# Altium PCB PCB1.PcbDoc (continued)
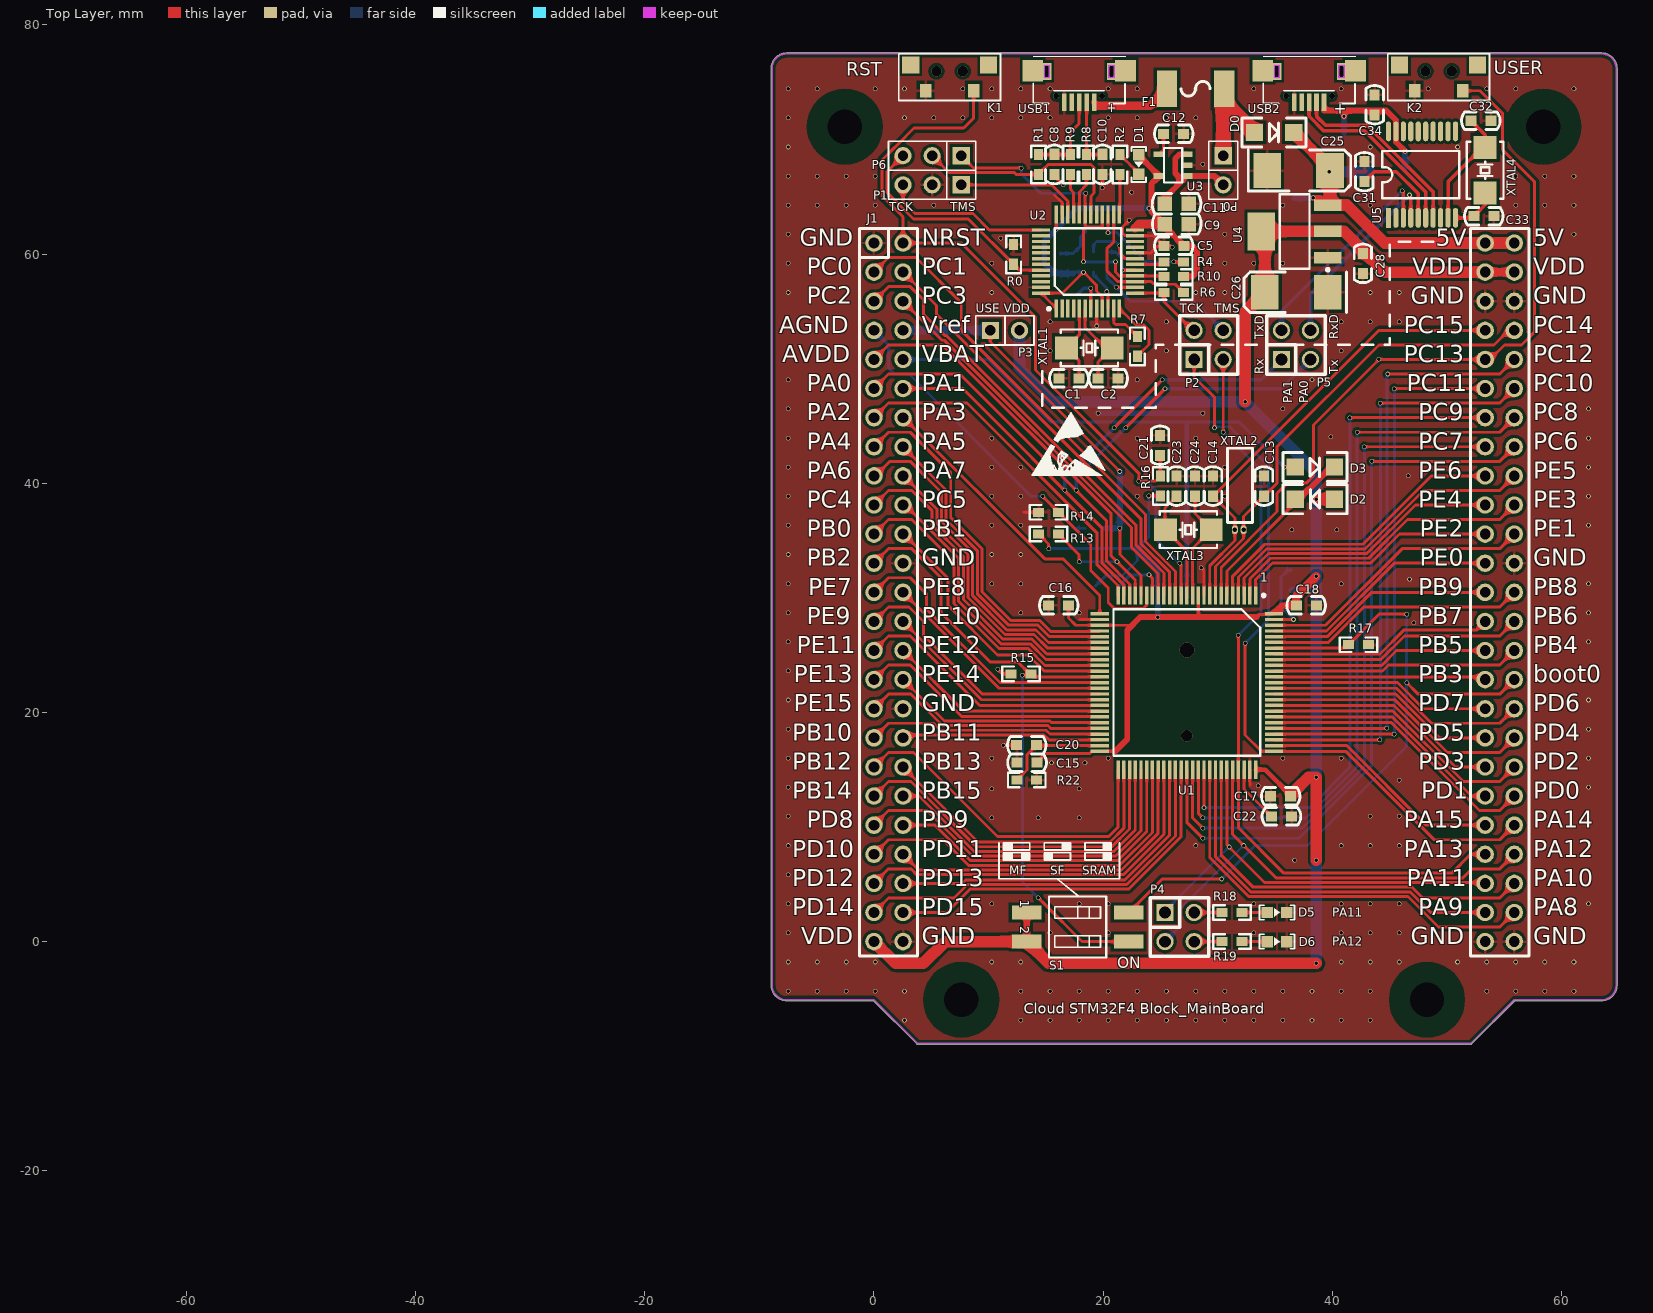
[diagram p0: Top Layer view]
## Nets (pads, with @x,y where several pads share a name; then routed paths per layer and width w, separated by ;. In a path a pad name is that pad's centre, name@x,y a point inside that pad or via, vN(x,y) a via of type N, cw(c..) or ccw(c..) an arc to the next point about the centre after c; other vN are vias at no path point)
BOOT0: J1.82 R17.2 S1.4 U1.94 | length 64.7
  Top Layer w0.254: S1.4 25.151,5.461 v1(30.353,5.461) ; U1.94 R17.2@41.3,25.606 ; R17.2 44.094,28.575 v1(46.482,28.575) ; v1(46.482,22.606) 47.498,21.59 54.61,21.59 J1.82
  Bottom Layer w0.254: v1(30.353,5.461) 33.274,8.382 37.846,8.382 46.482,17.018 v1(46.482,22.606) v1(46.482,28.575)
DBG_LED: R2.2 U2.25 | length 3.5
  Top Layer w0.254: U2.25@21.463,63.482 R2.2
F4_RX: J1.12 P5.1 U1.24 | length 53.4
  Top Layer w0.254: J1.12 7.747,48.26 19.888,36.119 19.888,33.057 21.805,31.14 U1.24
  Top Layer w0.305: v1(20.955,44.831) v1(25.146,49.022)
  Bottom Layer w0.305: v1(16.637,39.37) 16.637,40.513 v1(20.955,44.831) ; v1(25.146,49.022) 33.782,49.022 P5.1
F4_TX: J1.11 P5.3 U1.23 | length 59.3
  Top Layer w0.254: J1.11 1.27,49.53 7.493,49.53 20.295,36.728 20.295,33.225 22.305,31.215 U1.23
  Top Layer w0.305: v1(21.971,44.831) v1(25.4,48.26)
  Bottom Layer w0.305: v1(17.653,39.37) 17.653,40.513 v1(21.971,44.831) ; v1(25.4,48.26) 35.56,48.26 P5.3
JTCK: P1.3 U2.37 | length 14.5
  Top Layer w0.254: P1.3 2.54,64.557 3.572,63.525 8.636,63.525 10.066,62.095 U2.37
JTMS: P1.1 U2.34 | length 11.1
  Top Layer w0.254: P1.1 15.494,66.04 16.926,64.608 U2.34
NetC1_1: C1.1 U2.5 XTAL1.1 | length 7
  Top Layer w0.254: C1.1 17.907,50.705 XTAL1.1 17.926,52.946 U2.5
NetC2_1: C2.1 U2.6 XTAL1.2 | length 7.9
  Top Layer w0.254: U2.6 18.426,53.583 20.193,51.816 XTAL1.2 19.558,50.578 C2.1
NetC11_2: C11.2 P0.2 U3.1 U3.3 | length 10
  Top Layer w0.508: C11.2 25.366,64.863 26.924,66.421 ; U3.3 26.665,68.702 26.289,68.326 26.289,67.056 26.924,66.421 ; P0.2 29.718,66.802 U3.1 26.924,66.421
NetC12_1: C12.1 U3.4 | length 1.9
  Top Layer w0.254: U3.4 25.273,69.07 C12.1
NetC20_2: C20.2 R22.1 U1.49 | length 9.3
  Top Layer w0.254: R22.1 13.36,14.986 13.36,16.307 C20.2 ; C20.2@14.199,17.106 U1.49
NetC22_2: C22.2 U1.73 | length 5.1
  Top Layer w0.254: U1.73 32.305,13.898 32.305,13.313 C22.2
NetC23_1: C23.1 U1.13 XTAL3.2 | length 9.4
  Top Layer w0.254: C23.1@26.067,38.513 25.4,37.846 25.4,35.973 XTAL3.2 27.305,34.068 U1.13
NetC24_1: C24.1 U1.12 XTAL3.1 | length 9.9
  Top Layer w0.254: U1.12 27.805,34.314 XTAL3.1 28.016,37.357 C24.1
NetC31_2: C31.2 U5.5 | length 8
  Top Layer w0.305: C31.2 43.663,67.183 45.593,67.183 47.498,65.278 U5.5
NetC32_2: C32.2 U5.9 XTAL4.2 | length 10.3
  Top Layer w0.305: U5.9 50.098,66.322 53.34,69.564 53.34,70.383 C32.2
NetC33_2: C33.2 U5.10 XTAL4.1 | length 4.1
  Top Layer w0.305: U5.10 52.196,63.156 C33.2 53.34,64.3 XTAL4.1
NetD0_1: D0.1 F1.2 P0.1 | length 8.4
  Top Layer w1.27: P0.1 30.48,73.343 D0.1@33.084,70.739
NetD1_2: D1.2 R2.1 | length 2.4
  Top Layer w0.254: R2.1 23.114,67.031 D1.2
NetD5_1: D5.1 R18.2 | length 2.2
  Top Layer w0.254: R18.2 D5.1
NetD6_1: D6.1 R19.2 | length 2.2
  Top Layer w0.254: R19.2 D6.1
NetP4_2: P4.2 R18.1 | length 2.4
  Top Layer w0.254: P4.2 R18.1
NetP4_4: P4.4 R19.1 | length 2.4
  Top Layer w0.254: P4.4 R19.1
NetR11_1: R11.1 R12.1 U1.19 | length 5
  Top Layer w0.254: v1(24.003,32.004) 24.305,31.702 U1.19
  Bottom Layer w0.254: R11.1@21.361,30.992 22.373,32.004 v1(24.003,32.004)
NetR20_1: R20.1 R21.1 U1.99 | length 7.1
  Top Layer w0.254: U1.99 v1(36.615,28.106)
  Bottom Layer w0.254: R21.1 36.093,32.41 35.509,31.826 35.509,29.212 v1(36.615,28.106)
NetU5_6: U5.6 USB2.3 | length 16.4
  Top Layer w0.305: USB2.3 37.973,72.009 39.243,70.739 42.827,70.739 48.148,65.418 U5.6
NetU5_7: U5.7 USB2.2 | length 16.4
  Top Layer w0.305: USB2.2 38.623,72.006 39.407,71.222 42.991,71.222 48.798,65.414 U5.7
NRST: C21.1 J1.2 K1.2 R16.2 U1.14 | length 67.9
  Top Layer w0.254: K1.2 8.704,71.865 7.832,70.993 3.505,70.993 2.122,69.609 2.114,69.609 1.511,69.006 1.511,68.998 0.711,68.199 0.711,65.075 2.54,63.246 J1.2 7.62,60.96 14.097,54.483 14.097,49.884 23.114,40.867 v1(23.114,40.183) 24.562,40.183 R16.2 24.994,42.393 C21.1 ; v1(26.67,33.02) 26.805,32.885 U1.14
  Bottom Layer w0.254: v1(23.114,40.183) 23.798,40.183 24.613,39.369 24.613,35.077 v1(26.67,33.02)
NRST_DBG: C3.1 U2.7 | length 3.1
  Top Layer w0.254: v1(18.923,57.023) 18.926,57.02 U2.7
  Bottom Layer w0.305: C3.1 18.288,57.023 v1(18.923,57.023)
OB_BT0: P6.3 R0.1 U2.44 | length 20
  Top Layer w0.254: P6.3 1.118,67.158 1.118,65.405 3.454,63.068 8.23,63.068 R0.1 12.703,58.595 U2.44
OB_RX: P6.1 R10.1 U2.16 U2.28 U2.31 | length 29.1
  Top Layer w0.254: P6.1 8.687,67.513 12.83,67.513 v1(12.852,67.492) ; v1(18.288,59.309) 18.288,62.077 18.555,62.344 ; v1(18.491,65.303) 18.426,65.238 U2.31 18.426,62.473 18.555,62.344 ; U2.28 19.926,62.344 18.555,62.344 ; v1(21.082,59.309) 21.082,58.42 21.407,58.095 U2.16 R10.1@25.242,58.095
  Bottom Layer w0.254: v1(12.852,67.492) 12.852,67.005 14.553,65.303 v1(18.491,65.303) ; v1(18.288,59.309) v1(21.082,59.309)
OB_TX: P6.2 R1.2 U2.30 | length 19.5
  Top Layer w0.254: P6.2 6.553,67.107 12.243,67.107 12.395,66.954 R1.2 15.215,67.818 18.95,67.818 19.215,67.553 19.215,65.316 18.926,65.027 U2.30
PA2: J1.13 U1.25 | length 30.9
  Top Layer w0.254: J1.13 1.27,46.99 8.128,46.99 19.482,35.636 19.482,32.889 21.305,31.065 U1.25
PA3: J1.14 U1.26 | length 25.1
  Top Layer w0.254: J1.14@2.591,45.72 14.91,33.401 16.51,33.401 19.705,30.206 U1.26
PA4: J1.15 U1.29 | length 32
  Top Layer w0.254: J1.15 1.27,44.45 3.175,44.45 6.706,40.919 6.706,37.002 9.428,34.279 9.428,30.523 11.935,28.016 14.475,28.016 15.415,27.076 19.705,27.076 U1.29
PA5: J1.16 U1.30 | length 27.7
  Top Layer w0.254: J1.16 6.299,39.421 6.299,36.833 9.022,34.111 9.022,30.355 11.767,27.61 14.307,27.61 15.31,26.606 U1.30
PA6: J1.17 U1.31 | length 30.5
  Top Layer w0.254: J1.17 0.127,40.64 1.397,41.91 3.175,41.91 5.893,39.192 5.893,36.665 8.616,33.942 8.616,30.186 11.598,27.203 14.138,27.203 15.236,26.106 U1.31
PA7: J1.18 U1.32 | length 26.3
  Top Layer w0.254: J1.18 2.607,40.64 5.486,37.76 5.486,36.497 8.209,33.774 8.209,30.018 11.43,26.797 13.97,26.797 15.161,25.606 U1.32
PA8: J1.98 U1.67 | length 37.3
  Top Layer w0.254: U1.67 29.305,7.331 32.699,3.937 46.609,3.937 49.276,1.27 54.61,1.27 J1.98
PA9: J1.97 U1.68 | length 33.2
  Top Layer w0.254: U1.68 29.805,7.406 32.868,4.343 46.777,4.343 48.581,2.54 J1.97
PA10: J1.96 U1.69 | length 35.1
  Top Layer w0.254: U1.69 30.305,7.541 33.096,4.75 46.946,4.75 47.885,3.81 54.61,3.81 J1.96
PA11: J1.95 P4.1 U1.70 | length 38.4
  Top Layer w0.254: U1.70 30.805,8.438 v1(30.988,8.255) 34.087,5.156 53.34,5.156 J1.95
  Bottom Layer w0.254: P4.1@25.4,2.667 v1(30.988,8.255)
PA12: J1.94 P4.3 U1.71 | length 43.9
  Top Layer w0.254: U1.71 31.305,9.335 35.077,5.563 51.41,5.563 52.197,6.35 54.61,6.35 J1.94
  Bottom Layer w0.254: P4.3 26.67,1.27 26.67,2.794 v1(32.258,8.382)
PA13: J1.93 P2.3 U1.72 | length 66.9
  Top Layer w0.254: v1(30.48,44.45) P2.3 ; v1(31.805,26.742) U1.72 31.805,9.931 35.767,5.969 50.419,5.969 52.07,7.62 J1.93
  Bottom Layer w0.254: v1(30.48,44.45) 33.786,41.144 33.786,28.723 v1(31.805,26.742)
PA14: J1.92 P2.1 U1.76 | length 65
  Top Layer w0.254: P2.1 27.94,49.276 29.718,47.498 v1(29.718,44.831) ; v1(32.385,26.035) 32.385,18.034 33.813,16.606 U1.76 41.179,16.606 48.895,8.89 54.61,8.89 J1.92
  Bottom Layer w0.254: v1(29.718,44.831) 29.816,44.929 31.017,44.929 34.417,41.529 34.417,28.067 v1(32.385,26.035)
PA15: J1.91 U1.77 | length 21.3
  Top Layer w0.254: U1.77 41.254,17.106 48.2,10.16 J1.91
PB0: J1.21 U1.35 | length 27.6
  Top Layer w0.254: J1.21 1.27,36.83 3.302,36.83 6.99,33.142 6.99,29.513 10.925,25.578 13.465,25.578 14.937,24.106 U1.35
PB1: J1.22 U1.36 | length 23.5
  Top Layer w0.254: J1.22 2.607,35.56 6.477,31.69 6.477,29.337 10.795,25.019 13.449,25.019 14.862,23.606 U1.36
PB2: J1.23 R15.2 S1.3 U1.37 | length 56.5
  Top Layer w0.254: J1.23 1.27,34.29 3.302,34.29 5.842,31.75 5.842,28.702 10.16,24.384 12.565,24.384 R15.2@13.581,23.368 ; v1(12.954,23.241) 13.564,23.241 R15.2 ; R15.2@13.843,23.106 U1.37 ; v1(14.351,3.81) 14.355,3.81 14.909,3.256 14.909,3.252 18.161,0 S1.3
  Bottom Layer w0.254: v1(12.954,23.241) 12.954,5.207 v1(14.351,3.81)
PB3: J1.81 U1.89 | length 18.2
  Top Layer w0.254: U1.89 J1.81@53.094,23.106
PB4: J1.80 U1.90 | length 21.7
  Top Layer w0.254: U1.90 44.38,23.606 44.904,24.13 54.61,24.13 J1.80
PB5: J1.79 U1.91 | length 19
  Top Layer w0.254: U1.91 44.305,24.106 45.599,25.4 J1.79
PB6: J1.78 U1.92 | length 22.4
  Top Layer w0.254: U1.92 44.231,24.606 46.295,26.67 54.61,26.67 J1.78
PB7: J1.77 U1.93 | length 19.6
  Top Layer w0.254: U1.93 44.156,25.106 46.228,27.178 52.578,27.178 J1.77
PB8: J1.76 U1.95 | length 22.8
  Top Layer w0.254: U1.95 39.641,26.106 42.745,29.21 54.61,29.21 J1.76
PB9: J1.75 U1.96 | length 20
  Top Layer w0.254: U1.96 39.566,26.606 43.44,30.48 J1.75
PB10: J1.35 U1.47 | length 20.6
  Top Layer w0.254: J1.35 1.27,19.05 5.201,19.05 5.81,18.44 15.021,18.44 15.355,18.106 U1.47
PB11: J1.36 U1.48 | length 17.1
  Top Layer w0.254: J1.36@2.794,18.034 14.853,18.034 15.281,17.606 U1.48
PB12: J1.37 U1.51 | length 30.2
  Top Layer w0.254: J1.37 1.27,16.51 3.454,16.51 10.795,9.169 20.498,9.169 21.305,9.977 U1.51
PB13: J1.38 U1.52 | length 27.6
  Top Layer w0.254: J1.38 9.093,8.687 20.592,8.687 21.805,9.899 U1.52
PB14: J1.39 U1.53 | length 31
  Top Layer w0.254: J1.39 1.27,13.97 3.235,13.97 8.925,8.28 20.761,8.28 22.305,9.825 U1.53
PB15: J1.40 U1.54 | length 28.3
  Top Layer w0.254: J1.40 3.931,12.7 8.757,7.874 20.929,7.874 22.805,9.75 U1.54
PC0: J1.3 U1.15 | length 43.1
  Top Layer w0.254: J1.3 1.27,59.69 3.683,59.69 7.62,55.753 7.62,53.34 23.698,37.262 23.698,34.916 26.305,32.309 U1.15
PC1: J1.4 U1.16 | length 37.9
  Top Layer w0.254: J1.4 5.461,55.499 5.461,54.737 23.292,36.906 23.292,34.747 25.805,32.234 U1.16
PC2: J1.5 U1.17 | length 39.9
  Top Layer w0.254: J1.5 1.27,57.15 3.175,57.15 4.318,56.007 4.318,54.737 6.172,52.883 6.306,52.883 22.885,36.303 22.885,34.579 25.305,32.159 U1.17
PC3: J1.6 U1.18 | length 35
  Top Layer w0.254: J1.6 5.944,52.476 6.137,52.476 22.479,36.135 22.479,34.411 24.805,32.085 U1.18
PC4: J1.19 U1.33 | length 29.1
  Top Layer w0.254: J1.19 1.27,39.37 3.302,39.37 5.08,37.592 5.08,36.328 7.803,33.606 7.803,29.85 11.262,26.391 13.802,26.391 15.086,25.106 U1.33
PC5: J1.20 U1.34 | length 24.8
  Top Layer w0.254: J1.20@2.734,38.1 7.396,33.437 7.396,29.681 11.093,25.984 13.633,25.984 15.012,24.606 U1.34
PC6: J1.66 U1.63 | length 63.4
  Top Layer w0.254: U1.63 27.305,10.414 v1(28.702,9.017) ; v1(43.434,41.91) 54.61,41.91 J1.66
  Bottom Layer w0.254: v1(28.702,9.017) 37.084,9.017 43.434,15.367 v1(43.434,41.91)
PC7: J1.65 U1.64 | length 60.2
  Top Layer w0.254: U1.64 27.805,10.803 v1(28.702,9.906) ; v1(42.799,43.18) J1.65
  Bottom Layer w0.254: v1(28.702,9.906) 37.398,9.906 42.799,15.307 v1(42.799,43.18)
PC8: J1.64 U1.65 | length 63.1
  Top Layer w0.254: U1.65 28.305,11.192 v1(28.702,10.795) ; v1(42.164,44.45) 54.61,44.45 J1.64
  Bottom Layer w0.254: v1(28.702,10.795) 37.713,10.795 42.164,15.246 v1(42.164,44.45)
PC9: J1.63 U1.66 | length 59.8
  Top Layer w0.254: v1(28.805,11.684) U1.66 ; v1(41.529,45.72) J1.63
  Bottom Layer w0.254: v1(28.805,11.684) 38.027,11.684 41.529,15.186 v1(41.529,45.72)
PC10: J1.62 U1.78 | length 50.9
  Top Layer w0.254: U1.78 v1(44.149,17.606) ; v1(44.196,46.99) 54.61,46.99 J1.62
  Bottom Layer w0.254: v1(44.149,17.606) 44.196,17.653 v1(44.196,46.99)
PC11: J1.61 U1.79 | length 48.6
  Top Layer w0.254: U1.79 v1(45.411,18.106) ; v1(45.411,48.26) J1.61
  Bottom Layer w0.254: v1(45.411,18.106) v1(45.411,48.26)
PC12: J1.60 U1.80 | length 52.4
  Top Layer w0.254: U1.80 v1(44.767,18.606) ; v1(44.83,49.53) 54.61,49.53 J1.60
  Bottom Layer w0.254: v1(44.767,18.606) 44.767,49.467 v1(44.83,49.53)
PC13: J1.59 K2.2 U1.7 | length 66.4
  Top Layer w0.254: U1.7 30.305,32.651 35.179,37.525 35.179,39.116 36.068,40.005 37.719,40.005 38.354,40.64 38.354,45.085 v1(44.069,50.8) J1.59 53.752,50.8 55.022,52.07 56.515,52.07 57.658,53.213 57.658,66.294 54.864,69.088 54.864,72.263 52.881,74.246 K2.2
PC14: C13.1 J1.58 U1.8 XTAL2.1 | length 40.1
  Top Layer w0.254: U1.8 29.805,32.726 32.258,35.179 XTAL2.1 32.258,37.084 C13.1 35.179,40.005 35.179,43.18 44.069,52.07 54.102,52.07 55.372,53.34 J1.58
PC15: C14.1 J1.57 U1.9 XTAL2.2 | length 40.1
  Top Layer w0.254: U1.9 29.305,32.801 31.496,34.992 XTAL2.2 31.496,36.957 C14.1 44.069,53.34 J1.57
PD0: J1.90 U1.81 | length 24.7
  Top Layer w0.254: U1.81 45.156,19.106 52.832,11.43 54.61,11.43 J1.90
PD1: J1.89 U1.82 | length 21.3
  Top Layer w0.254: U1.82 45.231,19.606 52.137,12.7 J1.89
PD2: J1.88 U1.83 | length 24
  Top Layer w0.254: U1.83 45.305,20.106 51.441,13.97 54.61,13.97 J1.88
PD3: J1.87 U1.84 | length 20.7
  Top Layer w0.254: U1.84 45.38,20.606 50.746,15.24 J1.87
PD4: J1.86 U1.85 | length 23.4
  Top Layer w0.254: U1.85 45.455,21.106 50.051,16.51 54.61,16.51 J1.86
PD5: J1.85 U1.86 | length 20
  Top Layer w0.254: U1.86 45.53,21.606 49.356,17.78 J1.85
PD6: J1.84 U1.87 | length 22.8
  Top Layer w0.254: U1.87 45.604,22.106 48.66,19.05 54.61,19.05 J1.84
PD7: J1.83 U1.88 | length 19.4
  Top Layer w0.254: U1.88 45.679,22.606 47.965,20.32 J1.83
PD8: J1.41 U1.55 | length 31.7
  Top Layer w0.254: J1.41 1.27,11.43 4.626,11.43 8.588,7.468 21.097,7.468 23.305,9.675 U1.55
PD9: J1.42 U1.56 | length 29
  Top Layer w0.254: J1.42 5.321,10.16 8.42,7.061 21.266,7.061 23.805,9.6 U1.56
PD10: J1.43 U1.57 | length 32.4
  Top Layer w0.254: J1.43 1.27,8.89 6.016,8.89 8.252,6.655 21.434,6.655 24.305,9.526 U1.57
PD11: J1.44 U1.58 | length 29.7
  Top Layer w0.254: J1.44 3.912,6.248 21.602,6.248 24.805,9.451 U1.58
PD12: J1.45 U1.59 | length 33.1
  Top Layer w0.254: J1.45 1.27,6.35 3.235,6.35 3.743,5.842 21.771,5.842 25.305,9.376 U1.59
PD13: J1.46 U1.60 | length 30.7
  Top Layer w0.254: J1.46 7.68,5.08 7.985,5.385 21.888,5.385 25.805,9.301 U1.60
PD14: J1.47 U1.61 | length 34.9
  Top Layer w0.254: J1.47 1.27,3.81 6.985,3.81 8.153,4.978 22.057,4.978 26.305,9.227 U1.61
PD15: J1.48 U1.62 | length 32.9
  Top Layer w0.254: J1.48 6.35,2.54 8.382,4.572 22.225,4.572 26.805,9.152 U1.62
PE0: J1.73 U1.97 | length 20.9
  Top Layer w0.254: U1.97 39.492,27.106 45.406,33.02 J1.73
PE1: J1.72 U1.98 | length 24.3
  Top Layer w0.254: U1.98 39.417,27.606 46.101,34.29 54.61,34.29 J1.72
PE2: J1.71 U1.1 | length 23.1
  Top Layer w0.254: U1.1 33.305,31.581 34.77,33.045 43.345,33.045 45.86,35.56 J1.71
PE3: J1.70 U1.2 | length 27.2
  Top Layer w0.254: U1.2 32.805,31.656 34.601,33.452 43.177,33.452 46.555,36.83 54.61,36.83 J1.70
PE4: J1.69 U1.3 | length 25.2
  Top Layer w0.254: U1.3 32.305,31.73 34.433,33.858 43.009,33.858 47.25,38.1 J1.69
PE5: J1.68 U1.4 | length 29.3
  Top Layer w0.254: U1.4 31.805,31.805 34.265,34.265 42.84,34.265 47.946,39.37 54.61,39.37 J1.68
PE6: J1.67 U1.5 | length 27.3
  Top Layer w0.254: U1.5 31.305,31.88 34.096,34.671 42.672,34.671 48.641,40.64 J1.67
PE7: J1.25 U1.38 | length 24.8
  Top Layer w0.254: J1.25 1.27,31.75 3.175,31.75 4.572,30.353 4.572,29.023 10.989,22.606 U1.38
PE8: J1.26 U1.39 | length 20.6
  Top Layer w0.254: J1.26 10.914,22.106 U1.39
PE9: J1.27 U1.40 | length 24.1
  Top Layer w0.254: J1.27 1.27,29.21 3.048,29.21 4.318,27.94 4.318,26.737 9.449,21.606 U1.40
PE10: J1.28 U1.41 | length 20
  Top Layer w0.254: J1.28 9.374,21.106 U1.41
PE11: J1.29 U1.42 | length 22.7
  Top Layer w0.254: J1.29 1.27,26.67 3.175,26.67 9.239,20.606 U1.42
PE12: J1.30 U1.43 | length 19.4
  Top Layer w0.254: J1.30 7.834,20.106 U1.43
PE13: J1.31 U1.44 | length 22.1
  Top Layer w0.254: J1.31 1.27,24.13 3.175,24.13 7.645,19.66 19.705,19.66 U1.44
PE14: J1.32 U1.45 | length 18.7
  Top Layer w0.254: J1.32 6.147,19.253 15.358,19.253 15.505,19.106 U1.45
PE15: J1.33 U1.46 | length 21.5
  Top Layer w0.254: J1.33 1.27,21.59 3.235,21.59 5.978,18.847 15.189,18.847 15.43,18.606 U1.46
TCKIN: P2.2 R6.1 U2.13 | length 6.9
  Top Layer w0.254: U2.13 25.251,56.595 R6.1 25.298,55.855 P2.2@27.813,53.34
TCKOUT: R6.2 U2.15 U2.26 | length 12.6
  Top Layer w0.254: U2.26 20.926,61.058 20.32,60.452 20.32,58.547 21.272,57.595 U2.15 24.193,57.595 24.384,57.404 24.662,57.404 24.7,57.366 26.302,57.366 R6.2
TDIIN: R4.1 U2.18 | length 2.3
  Top Layer w0.254: U2.18 R4.1@25.084,59.095
TDIOUT: R4.2 U2.27 | length 9.2
  Top Layer w0.254: v1(20.426,61.87) U2.27 ; v1(26.162,59.309) R4.2
  Bottom Layer w0.254: v1(20.426,61.87) 21.188,61.87 23.749,59.309 v1(26.162,59.309)
TMSIN: P2.4 R5.1 U2.14 | length 14.2
  Top Layer w0.254: v1(21.154,57.095) U2.14
  Bottom Layer w0.254: R5.1 20.32,57.929 v1(21.154,57.095) 22.369,55.88 27.94,55.88 P2.4
TMSOUT: R5.2 U2.17 | length 3.7
  Top Layer w0.254: v1(21.669,58.595) U2.17
  Bottom Layer w0.254: R5.2 21.107,60.173 21.669,59.611 v1(21.669,58.595)
TRESIN: R7.1 U2.12 | length 6
  Top Layer w0.254: U2.12 22.823,53.848 23.495,53.848 24.003,53.34 24.003,52.095 R7.1
TRESOUT: R7.2 U2.11 | length 3.8
  Top Layer w0.254: U2.11 20.926,54.004 21.082,53.848 21.946,53.848 R7.2
TRSTIN: R3.1 U2.19 | length 5.4
  Top Layer w0.254: v1(21.463,60.706) 21.463,60.063 21.931,59.595 U2.19
  Bottom Layer w0.254: R3.1@19.177,60.173 19.177,60.833 19.431,61.087 21.082,61.087 v1(21.463,60.706)
TRSTOUT: R3.2 U2.10 | length 3.7
  Top Layer w0.254: v1(20.32,56.727) 20.426,56.621 U2.10
  Bottom Layer w0.254: R3.2@19.177,58.445 19.177,58.166 20.32,57.023 v1(20.32,56.727)
UART_RX: P5.4 U5.4 | length 17.4
  Top Layer w0.305: v1(46.736,65.151) 46.848,65.039 U5.4
  Bottom Layer w0.305: P5.4 38.1,56.515 v1(46.736,65.151)
UART_TX: P5.2 U5.3 | length 19
  Top Layer w0.305: v1(46.101,65.532) 46.198,65.435 U5.3
  Bottom Layer w0.305: P5.2 35.56,54.991 v1(46.101,65.532)
USBD+: C8.1 R1.1 R9.1 USB1.3 | length 7.7
  Top Layer w0.254: R1.1 R9.1 17.145,70.612 17.907,71.374 USB1.3
USBD-: C10.1 R8.1 USB1.2 | length 6
  Top Layer w0.254: USB1.2 18.557,68.697 R8.1 19.914,68.682 C10.1
USBDM: R8.2 U2.32 | length 3.8
  Top Layer w0.254: U2.32 17.926,65.424 18.542,66.04 R8.2
USBDP: R9.2 U2.33 | length 3.6
  Top Layer w0.254: R9.2 17.145,65.659 17.426,65.378 U2.33
VBAT: D2.2 D3.2 U1.6 | length 15.5
  Top Layer w0.254: U1.6 30.805,32.329 36.767,38.291 D2.2 D2.2@37.084,38.608
  Top Layer w0.508: D2.2@37.084,38.608 39.878,41.402 D3.2
VBAT_IN: BT1.1 D3.1 J1.10 | length 53.5
  Top Layer w0.254: v1(35.814,41.402) D3.1
  Bottom Layer w0.254: J1.10 9.906,50.8 15.367,45.339 27.305,45.339 31.877,45.339 v1(35.814,41.402)
  Bottom Layer w0.381: BT1.1 27.305,45.339
VDD: C15.2 C16.2 C17.2 C18.2 C19.2 C26.1 C28.2 D2.1 J1.49 J1.53 J1.54 P3.2 R11.2 R13.1 R16.1 R21.2 S1.1 S1.2 U1.11 U1.28 U1.50 U1.75 U1.100 U4.2 | length 242.2
  Top Layer w0.254: C15.2@13.868,15.951 14.554,15.951 15.024,16.421 18.834,16.421 19.019,16.606 U1.50 21.051,16.606 ; R13.1 15.24,34.696 v1(15.24,34.29) ; C16.2 16.993,28.235 16.985,28.227 17.606,27.606 U1.28 22.479,27.606 ; v1(23.978,38.887) R16.1 ; 28.305,28.321 U1.11 ; 33.384,28.321 33.598,28.535 34.834,28.535 U1.100
  Top Layer w0.381: U1.75 34.143,15.006 C17.2@36.36,12.789
  Top Layer w0.508: S1.2 S1.1 ; 21.051,16.606 22.098,17.653 22.098,27.178 23.241,28.321 v1(24.765,28.321) 33.384,28.321 ; U1.100@34.939,28.697 35.579,29.337 C18.2
  Top Layer w0.762: C18.2 36.855,30.124 v1(38.608,31.877) ; J1.53 J1.54
  Top Layer w1.016: J1.49 1.905,-1.905 4.318,-1.905 6.223,0 S1.2 15.235,-1.905 v1(38.608,-1.905) ; v1(32.385,47.117) 32.385,54.94 C26.1 ; U4.2@33.803,62.23 U4.2@34.112,61.921 ; C26.1@34.112,56.794 U4.2@34.112,61.667 ; U4.2@34.167,61.976 U4.2@39.603,61.976 ; C17.2@36.36,12.789 37.922,14.351 v1(38.608,14.351) v1(38.608,7.112) ; v1(38.608,38.608) D2.1 ; U4.2@39.857,61.976 41.021,61.976 44.577,58.42 J1.53
  Bottom Layer w0.254: v1(15.24,34.29) 15.265,34.315 C19.2 ; R11.2 20.193,31.902 21.641,31.902 22.987,33.249 C19.2 ; v1(23.978,38.887) 23.978,35.306 C19.2
  Bottom Layer w0.508: C19.2 24.765,32.537 v1(24.765,28.321) ; R21.2 38.532,30.683
  Bottom Layer w1.016: P3.2 12.7,50.038 15.621,47.117 v1(32.385,47.117) 38.608,40.894 v1(38.608,38.608) v1(38.608,31.877) v1(38.608,14.351) ; v1(38.608,-1.905) v1(38.608,7.112)
VDD5V: C25.1 C27.2 D0.2 D4.2 J1.51 J1.52 U4.3 | length 32
  Top Layer w0.508: v1(38.354,64.897) 38.982,64.897 U4.3
  Top Layer w1.016: D0.2@36.512,70.739 D0.2 39.56,67.691 39.802,67.691 C25.1 ; C25.1@39.802,67.183 39.802,64.276 41.261,64.276 44.577,60.96 J1.51 J1.52
  Bottom Layer w0.508: C27.2 v1(38.354,64.897)
  Bottom Layer w1.016: v1(39.751,67.183) D4.2
VDD_DBG: C4.1 C5.1 C6.1 C7.1 C9.1 D1.1 R10.2 U2.1 U2.9 U2.24 U2.36 U2.48 U3.5 | length 44.8
  Top Layer w0.254: U2.1 U2.48 16.463,56.595 v1(18.288,58.42) 19.431,57.277 19.431,56.769 19.926,56.274 U2.9 ; v1(15.926,62.179) U2.36
  Top Layer w0.508: D1.1@23.114,68.593 U3.5 24.207,66.104 24.207,63.704 25.299,62.612 C9.1 25.366,62.391 C5.1 27.813,60.706 28.194,60.325 28.194,58.42 27.813,58.039 R10.2
  Top Layer w0.762: 22.776,62.278 23.11,62.612 C9.1
  Bottom Layer w0.254: C7.1@17.526,58.42 v1(18.288,58.42)
  Bottom Layer w0.508: C7.1 15.769,58.293 14.859,59.203 14.859,61.112 v1(15.926,62.179) 17.755,64.008 v1(24.003,64.008)
VDD_UART: C30.1 C34.1 D4.1 U5.19 USB2.1 | length 14.1
  Top Layer w0.305: USB2.1@39.273,72.517 USB2.1
  Top Layer w0.508: USB2.1@39.273,72.517 C34.1@43.688,72.517 ; v1(41.021,72.009) 41.021,72.517 ; C34.1 C34.1@43.688,72.517 ; v1(46.355,68.961) 45.548,69.768 U5.19 45.548,71.673 44.704,72.517 C34.1@43.688,72.517
  Bottom Layer w0.508: C30.1 v1(41.021,72.009) ; D4.1@46.355,67.501 v1(46.355,68.961)
VDD_USB: F1.1 USB1.1 | length 7.1
  Top Layer w0.508: USB1.1 19.497,72.948
  Top Layer w0.762: 19.497,72.948 24.103,72.948 F1.1
VDDA: J1.9 R13.2 U1.22 | length 41.8
  Top Layer w0.254: J1.9 1.27,52.07 5.969,52.07 20.701,37.338 20.701,33.655 v1(21.209,33.147) 22.805,31.551 U1.22 ; R13.2 17.907,33.757 v1(17.907,33.147)
  Bottom Layer w0.254: v1(17.907,33.147) v1(21.209,33.147)
VREF+: C29.2 J1.8 P3.1 U1.21 | length 37.5
  Top Layer w0.254: P3.1 10.16,52.324 v1(21.463,41.021) ; v1(21.463,36.068) 21.463,33.782 23.305,31.94 U1.21
  Bottom Layer w0.508: C29.2 v1(21.463,36.068) v1(21.463,41.021)
  Bottom Layer w0.762: J1.8 P3.1
VSS: BT1.2 C1.2 C2.2 C3.2 C4.2 C5.2 C6.2 C7.2 C8.2 C9.2 C10.2 C11.1 C12.2 C13.2 C14.2 C15.1 C16.1 C17.1 C18.1 C19.1 C20.1 C21.2 C22.1 C23.2 C24.2 C25.2 C26.2 C27.1 C28.1 C30.2 C31.1 C32.1 C33.1 C34.2 D5.2 D6.2 J1.1 J1.24 J1.34 J1.50 J1.55 J1.56 J1.74 J1.99 J1.100 K1.1 K2.1 P1.2 R0.2 R12.2 R14.1 R15.1 R17.1 R20.2 R22.2 U1.10 U1.27 U1.74 U2.8 U2.20 U2.23 U2.35 U2.47 U3.2 U4.1 U5.8 USB1.5 USB2.5 | length 37
  Top Layer w0.254: v1(10.795,23.749) 11.176,23.368 R15.1 ; v1(11.303,17.145) C20.1 ; 13.081,37.465 R14.1 ; C8.2 15.748,66.802 v1(16.51,66.04) ; 15.76,65.151 16.426,64.486 U2.35 ; 17.995,28.106 U1.27 ; v1@19.426,53.726 U2.8 ; v1(19.939,65.786) C10.2 ; v1(22.276,62.94) 21.696,62.361 21.696,61.829 21.931,61.595 U2.23 24.409,61.595 C5.2 ; U2.20 24.154,60.095 24.765,60.706 C5.2 ; v1(26.035,60.579) 25.908,60.706 C5.2 ; v1(28.575,32.639) 28.805,32.409 U1.10 ; 32.805,13.677 U1.74 ; C17.1 C17.1@34.608,12.763
  Bottom Layer w0.254: C6.2@16.256,60.046 C7.2 18.009,60.655 18.009,61.468 C4.2
  Bottom Layer w0.508: v1(19.558,46.101) v1(28.702,46.101)
  other v1: 2.667,-6.858 12.827,-6.858 15.367,-6.858 17.907,-6.858 20.447,-6.858 22.987,-6.858 25.527,-6.858 28.067,-6.858 30.607,-6.858 33.147,-6.858 35.687,-6.858 38.227,-6.858 40.767,-6.858 43.307,-6.858 -7.493,-4.318 -4.953,-4.318 -2.413,-4.318 0.127,-4.318 2.667,-4.318 12.827,-4.318 15.367,-4.318 17.907,-4.318 20.447,-4.318 22.987,-4.318 25.527,-4.318 28.067,-4.318 30.607,-4.318 33.147,-4.318 35.687,-4.318 38.227,-4.318 40.767,-4.318 43.307,-4.318 53.467,-4.318 56.007,-4.318 58.547,-4.318 61.087,-4.318 -7.493,-1.778 -4.953,-1.778 -2.413,-1.778 0.127,-1.778 10.287,-1.778 12.827,-1.778 40.767,-1.778 43.307,-1.778 45.847,-1.778 50.927,-1.778 53.467,-1.778 56.007,-1.778 58.547,-1.778 61.087,-1.778 -7.493,0.762 15.367,0.762 20.447,0.762 33.147,0.762 40.767,0.762 43.307,0.762 45.847,0.762 -7.493,3.302 10.287,3.302 17.907,3.302 20.447,3.302 33.147,3.302 40.767,3.302 43.307,3.302 45.847,3.302 62.357,3.302 -7.493,5.842 36.703,7.112 -7.493,8.382 28.067,8.382 40.767,8.382 43.307,8.382 45.847,8.382 10.287,10.795 14.351,10.795 17.907,10.795 -7.493,10.922 43.307,10.922 45.847,10.922 10.287,13.335 17.907,13.335 -7.493,13.462 62.357,13.462 33.528,13.589 45.847,14.097 15.494,15.621 18.415,15.621 -7.493,16.002 10.287,16.002 20.447,16.002 35.687,16.002 40.767,16.002 62.357,16.002 -7.493,18.542 62.357,18.542 -7.493,21.082 62.357,21.082 -7.493,23.622 -7.493,26.162 62.357,26.162 47.117,27.813 -7.493,28.702 12.827,28.702 17.907,28.702 62.357,28.702 -7.493,31.242 10.287,31.242 12.827,31.242 40.767,31.242 62.357,31.242 46.736,31.623 -7.493,33.782 10.287,33.782 12.827,33.782 36.449,35.941 40.386,35.941 -7.493,36.322 10.287,36.322 12.827,36.322 62.357,36.322 -7.493,38.862 10.287,38.862 12.827,38.862 22.987,38.862 30.607,38.862 33.147,38.862 62.357,38.862 46.609,40.64 -7.493,41.402 10.287,41.402 12.827,41.402 30.607,41.402 62.357,41.402 -7.493,43.942 10.287,43.942 22.987,43.942 28.067,43.942 62.357,43.942 39.878,44.069 -7.493,46.482 35.687,46.482 62.357,46.482 -7.493,49.022 22.987,49.022 38.227,49.022 15.367,51.562 25.527,51.562 40.767,51.562 19.431,53.721 15.367,54.102 25.527,54.102 40.767,54.102 43.307,54.102 45.847,54.102 -7.493,56.642 10.287,56.642 28.067,56.642 30.607,56.642 43.307,56.642 45.847,56.642 -7.493,59.182 10.287,59.182 30.607,59.182 33.147,59.182 35.687,59.182 11.074,61.366 -7.493,61.722 30.607,61.722 61.087,61.722 -7.493,64.262 -4.953,64.262 -2.413,64.262 0.127,64.262 5.207,64.262 30.607,64.262 35.687,64.262 43.307,64.262 56.007,64.262 58.547,64.262 61.087,64.262 22.479,65.405 -7.493,66.802 -4.953,66.802 -2.413,66.802 0.127,66.802 56.007,66.802 58.547,66.802 61.087,66.802 28.702,67.818 -7.493,69.342 43.307,69.342 50.927,69.342 -7.493,71.882 2.667,71.882 5.207,71.882 7.747,71.882 10.287,71.882 12.827,71.882 15.367,71.882 20.447,71.882 22.987,71.882 25.527,71.882 28.067,71.882 -7.493,74.422 -4.953,74.422 0.127,74.422 2.667,74.422 7.747,74.422 10.287,74.422 12.827,74.422 15.367,74.422 20.447,74.422 22.987,74.422 28.067,74.422 33.147,74.422 40.767,74.422 48.387,74.422 53.467,74.422 56.007,74.422 61.087,74.422
VSSA: C29.1 J1.7 R14.2 U1.20 | length 42.9
  Top Layer w0.254: v1(14.732,38.862) 14.732,38.837 R14.2 18.923,34.646 18.923,32.385 20.447,30.861 20.447,29.591 20.955,29.083 23.527,29.083 23.805,29.361 U1.20
  Bottom Layer w0.254: J1.7 1.27,52.07 1.27,50.038 1.778,49.53 3.048,49.53 13.716,38.862 v1(14.732,38.862) 17.526,36.068 C29.1
pads on no net: K1.3 K2.3 U2.2 U2.3 U2.4 U2.21 U2.22 U2.29 U2.38 U2.39 U2.40 U2.41 U2.42 U2.43 U2.45 U2.46 U5.1 U5.2 U5.11 U5.12 U5.13 U5.14 U5.15 U5.16 U5.17 U5.18 U5.20 USB1. USB1.4 USB1.6 USB2. USB2.4 USB2.6
copper on no net:
  other v2: 5.454,75.946 7.754,75.946 48.126,75.946 50.426,75.946
  other v3: 27.305,25.463
  other v4: 27.305,17.963

## Polygon pours and split planes (outlines as drawn)
VSS on Bottom Layer "Bottom Layer-No Net" (solid, remove dead copper, pour order 4): -8.89,77.47 64.77,77.47 64.77,-8.89 -8.89,-8.89
VSS on Top Layer "Bottom Layer-No Net" (solid, remove dead copper, pour order 3): -8.89,77.47 64.77,77.47 64.77,-8.89 -8.89,-8.89

## Keep-outs
Keep-Out Layer:
  lines w0.152: -6.604,77.47 -7.62,77.47 ; -7.62,77.47 ccw(c-7.62,76.2) -8.89,76.2 -8.89,-3.81 ccw(c-7.62,-3.81) -7.62,-5.08 0,-5.08 3.81,-8.89 52.07,-8.89 55.88,-5.08 63.5,-5.08 ccw(c63.5,-3.81) 64.77,-3.81 64.77,76.2 ccw(c63.5,76.2) 63.5,77.47 -7.62,77.47

## Silkscreen, mask and mechanical layers (free items; w line width, h text height)
Top Overlay:
  drawing of 582 lines, arcs and shapes, not listed
  text "USER" at 54.102,75.311 h2.03
  text "RST" at -2.413,75.184 h2.03
  text "TCK" at 1.321,63.729 h0.76
  text "TMS" at 6.655,63.729 h0.76
  text "USE VDD" at 8.89,54.864 h0.76
  text "TCK" at 26.67,54.864 h0.76
  text "TMS" at 29.718,54.864 h0.76
  text "TxD" at 34.036,52.578 h0.76 r90
  text "RxD" at 40.513,52.578 h0.76 r90
  text "Rx" at 34.036,49.53 h0.76 r90
  text "Tx" at 40.513,49.53 h0.76 r90
  text "PA1" at 36.525,46.99 h0.76 r90
  text "PA0" at 37.897,46.965 h0.76 r90
  text "MF" at 11.811,5.842 h0.76
  text "SF" at 15.367,5.842 h0.76
  text "SRAM" at 18.161,5.842 h0.76
  text "PA11" at 40.005,2.159 h0.76
  text "PA12" at 40.005,-0.381 h0.76
  text "Cloud STM32F4 Block_MainBoard" at 13.081,-6.604 h1.6
Bottom Overlay:
  text "Version_V2.1" at 31.115,-5.842 h0.76

## Dimensions
-8.89,76.2 to 64.77,76.2 on Mechanical 1
-7.62,77.47 to 3.81,-8.89 on Mechanical 1
53.34,-8.89 to 65.405,0 on Mechanical 1
7.62,-9.652 to 48.26,-9.398 on Mechanical 1
-2.54,77.851 to 58.42,77.978 on Mechanical 1
64.135,60.96 to 64.135,77.47 on Mechanical 1

## Text inside footprints (layer, text, board x,y; h text height)
J1: Top Overlay "NRST" at 4.191,60.198 h2.54; Top Overlay "GND" at -6.477,60.198 h2.54; Top Overlay "PC0" at -5.842,57.658 h2.54; Top Overlay "PC1" at 4.191,57.658 h2.54; Top Overlay "Vref" at 4.191,52.578 h2.54; Top Overlay "AGND" at -8.255,52.578 h2.54; Top Overlay "PC2" at -5.842,55.118 h2.54; Top Overlay "PC3" at 4.191,55.118 h2.54; Top Overlay "PA3" at 4.191,44.958 h2.54; Top Overlay "PA2" at -5.842,44.958 h2.54; Top Overlay "PA4" at -5.842,42.418 h2.54; Top Overlay "PA5" at 4.191,42.418 h2.54; Top Overlay "PA1" at 4.191,47.498 h2.54; Top Overlay "PA0" at -5.842,47.498 h2.54; Top Overlay "AVDD" at -8.001,50.038 h2.54; Top Overlay "VBAT" at 4.191,50.038 h2.54; Top Overlay "PE8" at 4.191,29.718 h2.54; Top Overlay "PE7" at -5.715,29.718 h2.54; Top Overlay "PE9" at -5.842,27.178 h2.54; Top Overlay "PE10" at 4.191,27.178 h2.54; Top Overlay "PE14" at 4.191,22.098 h2.54; Top Overlay "PE13" at -6.985,22.098 h2.54; Top Overlay "PE11" at -6.731,24.638 h2.54; Top Overlay "PE12" at 4.191,24.638 h2.54; Top Overlay "PB1" at 4.191,34.798 h2.54; Top Overlay "PB0" at -5.842,34.798 h2.54; Top Overlay "PB2" at -5.842,32.258 h2.54; Top Overlay "GND" at 4.191,32.258 h2.54; Top Overlay "PC5" at 4.191,37.338 h2.54; Top Overlay "PC4" at -5.842,37.338 h2.54; Top Overlay "PA6" at -5.842,39.878 h2.54; Top Overlay "PA7" at 4.191,39.878 h2.54; Top Overlay "PD9" at 4.191,9.398 h2.54; Top Overlay "PD8" at -5.842,9.398 h2.54; Top Overlay "PD10" at -7.112,6.858 h2.54; Top Overlay "PD11" at 4.191,6.858 h2.54; Top Overlay "PD15" at 4.191,1.778 h2.54; Top Overlay "PD14" at -7.112,1.778 h2.54; Top Overlay "PD12" at -7.112,4.318 h2.54; Top Overlay "PD13" at 4.191,4.318 h2.54; Top Overlay "PB13" at 4.191,14.478 h2.54; Top Overlay "PB12" at -7.112,14.478 h2.54; Top Overlay "PB14" at -7.112,11.938 h2.54; Top Overlay "PB15" at 4.191,11.938 h2.54; Top Overlay "PB11" at 4.191,17.018 h2.54; Top Overlay "PB10" at -7.112,17.018 h2.54; Top Overlay "PE15" at -6.985,19.558 h2.54; Top Overlay "GND" at 4.191,19.558 h2.54; Top Overlay "VDD" at -6.35,-0.762 h2.54; Top Overlay "GND" at 4.191,-0.762 h2.54; Top Overlay "GND" at 46.863,-0.762 h2.54; Top Overlay "PD7" at 47.498,19.558 h2.54; Top Overlay "PD5" at 47.498,17.018 h2.54; Top Overlay "PD1" at 47.752,11.938 h2.54; Top Overlay "PD3" at 47.498,14.478 h2.54; Top Overlay "PA11" at 46.482,4.318 h2.54; Top Overlay "PA9" at 47.498,1.778 h2.54; Top Overlay "PA13" at 46.228,6.858 h2.54; Top Overlay "PA15" at 46.228,9.398 h2.54; Top Overlay "PE6" at 47.498,39.878 h2.54; Top Overlay "PE4" at 47.498,37.338 h2.54; Top Overlay "PE0" at 47.625,32.258 h2.54; Top Overlay "PE2" at 47.625,34.798 h2.54; Top Overlay "PB5" at 47.498,24.638 h2.54; Top Overlay "PB3" at 47.498,22.098 h2.54; Top Overlay "PB7" at 47.498,27.178 h2.54; Top Overlay "PB9" at 47.498,29.718 h2.54; Top Overlay "PC13" at 46.228,50.038 h2.54; Top Overlay "PC11" at 46.482,47.498 h2.54; Top Overlay "PC7" at 47.498,42.418 h2.54; Top Overlay "PC9" at 47.498,44.958 h2.54; Top Overlay "GND" at 46.863,55.118 h2.54; Top Overlay "PC15" at 46.228,52.578 h2.54; Top Overlay "VDD" at 46.99,57.658 h2.54; Top Overlay "5V" at 49.022,60.198 h2.54; Top Overlay "GND" at 57.531,-0.762 h2.54; Top Overlay "PD6" at 57.531,19.558 h2.54; Top Overlay "PD4" at 57.531,17.018 h2.54; Top Overlay "PD0" at 57.531,11.938 h2.54; Top Overlay "PD2" at 57.531,14.478 h2.54; Top Overlay "PA10" at 57.531,4.318 h2.54; Top Overlay "PA8" at 57.531,1.778 h2.54; Top Overlay "PA12" at 57.531,6.858 h2.54; Top Overlay "PA14" at 57.531,9.398 h2.54; Top Overlay "PE5" at 57.531,39.878 h2.54; Top Overlay "PE3" at 57.531,37.338 h2.54; Top Overlay "GND" at 57.531,32.258 h2.54; Top Overlay "PE1" at 57.531,34.798 h2.54; Top Overlay "PB4" at 57.531,24.638 h2.54; Top Overlay "boot0" at 57.531,22.098 h2.54; Top Overlay "PB6" at 57.531,27.178 h2.54; Top Overlay "PB8" at 57.531,29.718 h2.54; Top Overlay "PC12" at 57.531,50.038 h2.54; Top Overlay "PC10" at 57.531,47.498 h2.54; Top Overlay "PC6" at 57.531,42.418 h2.54; Top Overlay "PC8" at 57.531,44.958 h2.54; Top Overlay "GND" at 57.531,55.118 h2.54; Top Overlay "PC14" at 57.531,52.578 h2.54; Top Overlay "VDD" at 57.531,57.658 h2.54; Top Overlay "5V" at 57.531,60.198 h2.54
S1: Top Overlay "2" at 12.748,1.331 h0.8 r270; Top Overlay "1" at 12.748,3.656 h0.8 r270; Top Overlay "ON" at 21.234,-2.337 h1
U1: Top Overlay "1" at 33.693,31.42 h0.76
USB1: Top Overlay "+" at 21.207,73.088 h0.76 r180
USB2: Top Overlay "+" at 41.273,73.088 h1 r180